# Allegro board SDHCalFEB.brd (continued)
## Routing (per net, layer and track width the routed paths; a pad name or vN(x,y) marks a point on that pad's centre or on a via; arc(x,y) is an arc through that point) (continued)
336.73,171.88 ; 308.53,348.58 J36.2 ; J36.2 309.66,347.45 ; J36.2 309.66,349.71 ; J36.2 310.79,348.58 ; 301.95,350.88 v2(302.39,350.88) ; v2(302.39,350.88) 302.39,351.31 ; v2(302.39,350.88) 302.82,350.88 ; v2(302.39,350.88) 302.39,350.44 ; 247.53,116.97 R821.1 248.12,117.53 ; 339.62,177.16 v2(340.06,177.16) ; v2(340.06,177.16) 340.49,177.16 ; v2(340.06,177.16) 340.06,177.6 ; v2(340.06,177.16) 340.06,176.73 ; v2(179.37,246.74) 179.37,247.17 ; v2(179.37,246.74) 178.94,246.74 ; v2(179.37,246.74) 179.81,246.74 ; v2(179.37,246.74) 179.37,246.3 ; v2(334.29,243.08) 334.72,243.08 ; v2(334.29,243.08) 333.86,243.08 ; v2(334.29,243.08) 334.29,242.65 ; v2(334.29,243.08) 334.29,243.51 ; 99.08,181.46 v2(99.52,181.46) ; v2(99.52,181.46) 99.95,181.46 ; v2(99.52,181.46) 99.52,181.89 ; v2(99.52,181.46) 99.52,181.03 ; 103.47,31.57 C1302.2 ; C1302.2 102.28,32.89 ; C1302.2 103.47,34.21 ; 291.54,341.83 v2(291.54,342.26) ; v2(291.54,342.26) 291.11,342.26 ; v2(291.54,342.26) 291.97,342.26 ; v2(291.54,342.26) 291.54,342.7 ; 171.98,193.37 v2(172.42,193.37) ; v2(172.42,193.37) 172.85,193.37 ; v2(172.42,193.37) 172.42,192.94 ; v2(172.42,193.37) 172.42,193.8 ; 62.71,257.5 v2(62.71,257.94) ; v2(62.71,257.94) 63.14,257.94 ; v2(62.71,257.94) 62.28,257.94 ; v2(62.71,257.94) 62.71,258.37 ; J35.A14 v1(394.88,242.7) ; v2(346.84,314.4) 346.84,314.83 ; v2(346.84,314.4) 346.4,314.4 ; v2(346.84,314.4) 346.84,313.97 ; v2(346.84,314.4) 347.27,314.4 ; 176.91,329.69 v2(176.91,330.12) ; v2(176.91,330.12) 176.91,330.56 ; v2(176.91,330.12) 177.34,330.12 ; v2(176.91,330.12) 176.48,330.12 ; v2(337.08,165.4) 337.52,165.4 ; v2(337.08,165.4) 337.08,164.97 ; v2(337.08,165.4) 337.08,165.84 ; v2(337.08,165.4) 336.65,165.4 ; v2(181.08,30.1) 181.08,30.53 ; v2(181.08,30.1) 181.08,29.67 ; v2(181.08,30.1) 180.64,30.1 ; v2(181.08,30.1) 181.51,30.1 ; v2(257.89,195.54) 257.89,195.98 ; v2(257.89,195.54) 257.45,195.54 ; v2(257.89,195.54) 257.89,195.11 ; 27.67,337.72 J43.5 ; J43.5 28.8,338.85 ; J43.5 27.67,339.98 ; J43.5 26.54,338.85 ; v2(239.19,37.19) 239.19,37.62 ; v2(239.19,37.19) 239.19,36.75 ; v2(239.19,37.19) 238.76,37.19 ; v2(239.19,37.19) 239.62,37.19 ; v2(153.24,278.51) 153.24,278.94 ; v2(153.24,278.51) 152.81,278.51 ; v2(153.24,278.51) 153.24,278.08 ; v2(153.24,278.51) 153.67,278.51 ; J58.4 34.04,86.07 ; J58.4 31.77,86.07 ; J58.4 32.91,84.94 ; J58.4 32.91,87.2 ; 102.77,175.22 J65.4 ; J65.4 103.9,174.09 ; J65.4 105.03,175.22 ; J65.4 103.9,176.35 ; v2(34.9,178) 35.33,178 ; v2(34.9,178) 34.9,177.57 ; v2(34.9,178) 34.9,178.44 ; v2(34.9,178) 34.47,178 ; v2(261.44,256.31) 261.87,256.31 ; v2(261.44,256.31) 261.44,256.74 ; v2(261.44,256.31) 261.01,256.31 ; v2(261.44,256.31) 261.44,255.88 ; v2(28.75,340.72) 28.75,341.15 ; v2(28.75,340.72) 28.32,340.72 ; v2(28.75,340.72) 28.75,340.28 ; v2(28.75,340.72) 29.19,340.72 ; 108.13,163.45 v2(108.56,163.45) ; v2(108.56,163.45) 108.56,163.02 ; v2(108.56,163.45) 108.99,163.45 ; v2(108.56,163.45) 108.56,163.88 ; 330.63,113 J18.4 ; J18.4 330.63,115.27 ; J18.4 331.76,114.13 ; J18.4 329.5,114.13 ; 111.59,178.43 v2(111.59,178.87) 111.16,178.87 ; 259.44,182.4 v2(259.87,182.4) ; v2(259.87,182.4) 259.87,181.97 ; v2(259.87,182.4) 260.3,182.4 ; v2(259.87,182.4) 259.87,182.83 ; 188.77,162.94 v2(188.77,163.37) ; v2(188.77,163.37) 188.34,163.37 ; v2(188.77,163.37) 189.21,163.37 ; v2(188.77,163.37) 188.77,163.81 ; v2(100.3,94.67) 100.3,95.1 ; v2(100.3,94.67) 100.74,94.67 ; v2(100.3,94.67) 99.87,94.67 ; v2(100.3,94.67) 100.3,94.23 ; 182.93,177.77 v2(182.93,178.21) ; v2(182.93,178.21) 182.5,178.21 ; v2(182.93,178.21) 183.36,178.21 ; v2(182.93,178.21) 182.93,178.64 ; 234.64,36.14 v2(235.08,36.14) ; v2(235.08,36.14) 235.08,35.71 ; v2(235.08,36.14) 235.08,36.58 ; v2(235.08,36.14) 235.51,36.14 ; 252.81,38.91 v2(252.81,39.34) ; v2(252.81,39.34) 253.24,39.34 ; v2(252.81,39.34) 252.81,39.78 ; v2(252.81,39.34) 252.37,39.34 ; 98.37,22.43 v1(98.37,22.86) ; v1(98.37,22.86) 98.37,23.29 ; v1(98.37,22.86) 97.94,22.86 ; v1(98.37,22.86) 98.81,22.86 ; v2(32.59,176.66) 32.59,177.09 ; v2(32.59,176.66) 32.16,176.66 ; v2(32.59,176.66) 33.02,176.66 ; v2(32.59,176.66) 32.59,176.22 ; 66.14,357.45 v1(66.57,357.45) ; v1(66.57,357.45) 66.57,357.89 ; v1(66.57,357.45) 67.01,357.45 ; v1(66.57,357.45) 66.57,357.02 ; U1076.8 v1(380.11,100.38) ; 176.33,251.43 v2(176.33,251.87) ; v2(176.33,251.87) 175.89,251.87 ; v2(176.33,251.87) 176.33,252.3 ; v2(176.33,251.87) 176.76,251.87 ; 174.27,168.2 J21.5 ; J21.5 174.27,170.46 ; J21.5 175.4,169.33 ; 242.77,22.78 v1(242.77,23.22) ; v1(242.77,23.22) 242.34,23.22 ; v1(242.77,23.22) 242.77,23.65 ; v1(242.77,23.22) 243.21,23.22 ; v2(264.01,259.11) 264.01,259.54 ; v2(264.01,259.11) 264.44,259.11 ; v2(264.01,259.11) 264.01,258.67 ; v2(264.01,259.11) 263.58,259.11 ; 175.13,112.39 v2(175.56,112.39) ; v2(175.56,112.39) 175.56,111.96 ; v2(175.56,112.39) 176,112.39 ; v2(175.56,112.39) 175.56,112.83 ; v2(310.01,350.88) 310.44,350.88 ; v2(310.01,350.88) 310.01,351.31 ; v2(310.01,350.88) 310.01,350.44 ; v2(310.01,350.88) 309.57,350.88 ; v2(337.29,268) 337.29,268.43 ; v2(337.29,268) 337.72,268 ; v2(337.29,268) 336.85,268 ; v2(337.29,268) 337.29,267.56 ; v2(64.39,259.74) 64.39,260.17 ; v2(64.39,259.74) 63.96,259.74 ; v2(64.39,259.74) 64.82,259.74 ; v2(64.39,259.74) 64.39,259.31 ; v2(77.6,198.53) 78.03,198.53 ; v2(77.6,198.53) 77.6,198.96 ; v2(77.6,198.53) 77.16,198.53 ; v2(77.6,198.53) 77.6,198.09 ; v2(174.09,38.73) 174.09,39.17 ; v2(174.09,38.73) 174.09,38.3 ; v2(174.09,38.73) 174.52,38.73 ; v2(174.09,38.73) 173.66,38.73 ; v2(226.26,338.71) 226.7,338.71 ; v2(226.26,338.71) 225.83,338.71 ; v2(226.26,338.71) 226.26,338.28 ; v2(226.26,338.71) 226.26,339.14 ; v2(301.65,349.33) 302.08,349.33 ; v2(301.65,349.33) 301.65,349.76 ; v2(301.65,349.33) 301.22,349.33 ; v2(301.65,349.33) 301.65,348.89 ; v2(361.37,154.03) 361.8,154.03 ; v2(361.37,154.03) 361.37,153.59 ; v2(361.37,154.03) 361.37,154.46 ; v2(361.37,154.03) 360.93,154.03 ; 340.21,264.87 v2(340.64,264.87) ; v2(340.64,264.87) 340.64,265.3 ; v2(340.64,264.87) 340.64,264.44 ; v2(340.64,264.87) 341.07,264.87 ; 30.89,171.96 v2(30.89,172.39) ; v2(30.89,172.39) 30.89,172.82 ; v2(30.89,172.39) 30.45,172.39 ; v2(30.89,172.39) 31.32,172.39 ; J35.B13 v1(391.79,241.43) ; v2(315.98,345.85) 316.41,345.85 ; v2(315.98,345.85) 315.54,345.85 ; v2(315.98,345.85) 315.98,346.28 ; v2(315.98,345.85) 315.98,345.41 ; 105.64,174.37 v2(105.64,174.8) ; v2(105.64,174.8) 105.21,174.8 ; v2(105.64,174.8) 106.07,174.8 ; v2(105.64,174.8) 105.64,175.24 ; v2(251.76,329.29) 252.19,329.29 ; v2(251.76,329.29) 251.33,329.29 ; v2(251.76,329.29) 251.76,329.72 ; 169.15,114.44 J22.4 ; J22.4 170.28,115.57 ; J22.4 171.41,114.44 ; J22.4 170.28,113.31 ; 149.66,342.24 v2(150.09,342.24) ; v2(150.09,342.24) 150.52,342.24 ; v2(150.09,342.24) 150.09,342.67 ; v2(150.09,342.24) 150.09,341.81 ; 328.32,33.48 v2(328.32,33.91) ; v2(328.32,33.91) 328.75,33.91 ; v2(328.32,33.91) 327.89,33.91 ; v2(328.32,33.91) 328.32,34.34 ; v2(294.77,350.88) 294.77,351.31 ; v2(294.77,350.88) 294.33,350.88 ; v2(294.77,350.88) 295.2,350.88 ; v2(294.77,350.88) 294.77,350.44 ; 22.5,21.13 v1(22.94,21.13) ; v1(22.94,21.13) 22.94,20.7 ; v1(22.94,21.13) 22.94,21.57 ; v1(22.94,21.13) 23.37,21.13 ; 95.86,84.61 v2(95.86,85.04) ; v2(95.86,85.04) 95.86,85.47 ; v2(95.86,85.04) 96.29,85.04 ; v2(95.86,85.04) 95.43,85.04 ; 366.73,240.46 v2(366.73,240.89) ; v2(366.73,240.89) 366.73,241.33 ; v2(366.73,240.89) 366.29,240.89 ; v2(366.73,240.89) 367.16,240.89 ; v2(268.38,327.08) 268.38,327.51 ; v2(268.38,327.08) 268.38,326.64 ; v2(268.38,327.08) 268.81,327.08 ; v2(268.38,327.08) 267.94,327.08 ; 258.44,88.19 J27.2 ; J27.2 257.31,89.32 ; J27.2 258.44,90.45 ; J27.2 259.57,89.32 ; v2(185.85,94.03) 185.85,94.46 ; v2(185.85,94.03) 186.28,94.03 ; v2(185.85,94.03) 185.41,94.03 ; v1(225.37,348.08) 225.81,348.08 ; v1(225.37,348.08) 225.37,347.65 ; v1(225.37,348.08) 225.37,348.51 ; v1(225.37,348.08) 224.94,348.08 ; 99.62,98.98 v2(100.05,98.98) ; v2(100.05,98.98) 100.05,99.42 ; v2(100.05,98.98) 100.05,98.55 ; v2(100.05,98.98) 100.48,98.98 ; v2(31.65,37.57) 31.65,38 ; v2(31.65,37.57) 32.08,37.57 ; v2(31.65,37.57) 31.65,37.13 ; v2(31.65,37.57) 31.22,37.57 ; v2(174.85,262.33) 175.29,262.33 ; v2(174.85,262.33) 174.85,262.76 ; v2(174.85,262.33) 174.85,261.9 ; v2(174.85,262.33) 174.42,262.33 ; 255.4,116.71 v2(255.83,116.71) ; v2(255.83,116.71) 255.83,116.28 ; v2(255.83,116.71) 255.83,117.15 ; v2(255.83,116.71) 256.26,116.71 ; 91.52,31.22 v2(91.52,31.65) ; v2(91.52,31.65) 91.52,32.08 ; v2(91.52,31.65) 91.08,31.65 ; v2(91.52,31.65) 91.95,31.65 ; 311.71,346.07 v2(311.71,346.51) ; v2(311.71,346.51) 311.28,346.51 ; v2(311.71,346.51) 312.14,346.51 ; v2(311.71,346.51) 311.71,346.94 ; J60.5 186.16,260.08 ; J60.5 185.03,258.95 ; J60.5 185.03,261.21 ; J60.5 183.9,260.08 ; 96.24,192.23 v2(96.67,192.23) ; v2(96.67,192.23) 96.67,192.66 ; v2(96.67,192.23) 97.1,192.23 ; v2(96.67,192.23) 96.67,191.79 ; 337.08,191.82 v2(337.08,192.25) ; v2(337.08,192.25) 337.52,192.25 ; v2(337.08,192.25) 337.08,192.68 ; v2(337.08,192.25) 336.65,192.25 ; 143.69,343.83 J38.5 ; J38.5 144.82,342.7 ; J38.5 145.95,343.83 ; J38.5 144.82,344.96 ; 100.42,82.63 v2(100.42,82.2) 99.98,82.2 ; 329.24,39 J26.5 ; J26.5 330.37,37.87 ; J26.5 331.5,39 ; J26.5 330.37,40.13 ; v2(332.59,120.65) 332.59,121.08 ; v2(332.59,120.65) 333.02,120.65 ; v2(332.59,120.65) 332.59,120.22 ; v2(332.59,120.65) 332.16,120.65 ; 100.67,252.28 R1713.1 100.67,251.11 ; 183.94,93.5 v2(183.94,93.07) 183.5,93.07 ; 332.77,179.98 v2(332.77,180.42) ; v2(332.77,180.42) 333.2,180.42 ; v2(332.77,180.42) 332.77,180.85 ; v2(332.77,180.42) 332.33,180.42 ; v2(270.08,323.42) 270.08,323.85 ; v2(270.08,323.42) 270.51,323.42 ; v2(270.08,323.42) 270.08,322.99 ; v2(270.08,323.42) 269.65,323.42 ; J67.3 269.88,95.34 ; J67.3 267.61,95.34 ; J67.3 268.74,96.47 ; J67.3 268.74,94.21 ; v2(95.94,169.95) 96.37,169.95 ; v2(95.94,169.95) 95.5,169.95 ; v2(95.94,169.95) 95.94,170.38 ; v2(95.94,169.95) 95.94,169.52 ; 28.29,98.15 C1042.2 ; C1042.2 29.48,99.47 ; C1042.2 29.48,96.82 ; 293.93,346.07 v2(293.93,346.51) ; v2(293.93,346.51) 293.93,346.94 ; v2(293.93,346.51) 293.5,346.51 ; v2(293.93,346.51) 294.36,346.51 ; U1052.7 v1(346.37,136.14) ; v2(95.73,197.18) 96.16,197.18 ; v2(95.73,197.18) 95.73,197.61 ; v2(95.73,197.18) 95.3,197.18 ; v2(95.73,197.18) 95.73,196.75 ; 27.79,183.84 v2(27.79,184.28) ; v2(27.79,184.28) 27.79,184.71 ; v2(27.79,184.28) 28.22,184.28 ; v2(27.79,184.28) 27.36,184.28 ; 347.19,310.24 v2(347.19,310.67) ; v2(347.19,310.67) 347.19,311.1 ; v2(347.19,310.67) 346.76,310.67 ; v2(347.19,310.67) 347.62,310.67 ; v2(266.8,94.84) 267.23,94.84 ; v2(266.8,94.84) 266.8,95.28 ; v2(266.8,94.84) 266.8,94.41 ; v2(266.8,94.84) 266.37,94.84 ; 40.06,341.96 v2(40.06,342.39) ; v2(40.06,342.39) 39.62,342.39 ; v2(40.06,342.39) 40.49,342.39 ; v2(40.06,342.39) 40.06,342.82 ; J35.A28 v1(394.88,260.48) ; v2(238.23,37.8) 238.23,38.23 ; v2(238.23,37.8) 238.66,37.8 ; v2(238.23,37.8) 238.23,37.36 ; v2(238.23,37.8) 237.79,37.8 ; 29.31,267.18 v2(29.31,267.61) ; v2(29.31,267.61) 29.74,267.61 ; v2(29.31,267.61) 29.31,268.05 ; v2(29.31,267.61) 28.88,267.61 ; 253.49,277.32 v2(253.92,277.32) ; v2(253.92,277.32) 254.36,277.32 ; v2(253.92,277.32) 253.92,277.75 ; v2(253.92,277.32) 253.92,276.88 ; 255.7,243.86 v2(255.7,244.3) ; v2(255.7,244.3) 255.7,244.73 ; v2(255.7,244.3) 256.13,244.3 ; v2(255.7,244.3) 255.27,244.3 ; v2(332.56,119.43) 332.56,119.86 ; v2(332.56,119.43) 332.56,119 ; v2(332.56,119.43) 332.99,119.43 ; v2(332.56,119.43) 332.13,119.43 ; 92.42,88.65 R1319.2 91.84,88.09 ; v2(110.92,257.84) 111.35,257.84 ; v2(110.92,257.84) 110.92,257.4 ; v2(110.92,257.84) 110.49,257.84 ; v2(110.92,257.84) 110.92,258.27 ; 335.43,163.68 J17.4 ; J17.4 336.56,164.81 ; J17.4 335.43,165.94 ; J17.4 334.3,164.81 ; 107.59,163.85 v2(107.59,164.29) ; v2(107.59,164.29) 107.16,164.29 ; v2(107.59,164.29) 107.59,164.72 ; v2(107.59,164.29) 108.03,164.29 ; 77.88,116.86 v2(77.88,117.3) ; v2(77.88,117.3) 77.88,117.73 ; v2(77.88,117.3) 78.31,117.3 ; v2(77.88,117.3) 77.44,117.3 ; 87.78,272.31 v2(87.78,272.75) ; v2(87.78,272.75) 87.78,273.18 ; v2(87.78,272.75) 87.35,272.75 ; v2(87.78,272.75) 88.21,272.75 ; v2(174.47,280.7) 174.9,280.7 ; v2(174.47,280.7) 174.04,280.7 ; v2(174.47,280.7) 174.47,280.26 ; v2(174.47,280.7) 174.47,281.13 ; v2(33.2,331.57) 33.63,331.57 ; v2(33.2,331.57) 33.2,331.14 ; v2(33.2,331.57) 33.2,332 ; v2(33.2,331.57) 32.77,331.57 ; 32.46,326.64 v2(32.89,326.64) ; v2(32.89,326.64) 32.89,327.08 ; v2(32.89,326.64) 33.33,326.64 ; v2(313.54,199.09) 313.97,199.09 ; v2(313.54,199.09) 313.54,198.65 ; v2(313.54,199.09) 313.54,199.52 ; v2(313.54,199.09) 313.11,199.09 ; v2(257.96,275.38) 257.96,275.81 ; v2(257.96,275.38) 257.96,274.95 ; v2(257.96,275.38) 257.53,275.38 ; v2(252.17,40.26) 252.17,40.69 ; v2(252.17,40.26) 251.74,40.26 ; v2(252.17,40.26) 252.17,39.83 ; v2(252.17,40.26) 252.6,40.26 ; 266.34,22.24 J52.3 ; J52.3 268.61,22.24 ; J52.3 267.47,21.11 ; J52.3 267.47,23.37 ; 33.02,327.56 v2(33.02,327.99) ; v2(33.02,327.99) 33.45,327.99 ; v2(33.02,327.99) 33.02,328.42 ; v2(33.02,327.99) 32.59,327.99 ; 337.9,164.31 v2(338.33,164.31) ; v2(338.33,164.31) 338.76,164.31 ; v2(338.33,164.31) 338.33,164.74 ; v2(338.33,164.31) 338.33,163.88 ; v1(261.01,21.06) 261.44,21.06 ; v1(261.01,21.06) 261.01,21.49 ; v1(261.01,21.06) 260.58,21.06 ; v1(261.01,21.06) 261.01,20.62 ; v2(109.32,177.16) 109.32,177.6 ; v2(109.32,177.16) 108.89,177.16 ; v2(109.32,177.16) 109.32,176.73 ; v2(109.32,177.16) 109.75,177.16 ; v2(103.91,341.33) 104.34,341.33 ; v2(103.91,341.33) 103.91,341.76 ; v2(103.91,341.33) 103.91,340.89 ; v2(103.91,341.33) 103.48,341.33 ; v2(257.89,196.84) 257.89,197.28 ; v2(257.89,196.84) 257.89,196.41 ; v2(257.89,196.84) 257.45,196.84 ; v2(194.11,255.55) 194.11,255.98 ; v2(194.11,255.55) 193.67,255.55 ; v2(194.11,255.55) 194.11,255.12 ; v2(194.11,255.55) 194.54,255.55 ; 189.71,341.16 J41.2 ; J41.2 190.84,340.03 ; J41.2 190.84,342.29 ; J41.2 191.97,341.16 ; 99.62,97.71 v2(100.05,97.71) ; v2(100.05,97.71) 100.48,97.71 ; v2(100.05,97.71) 100.05,97.28 ; v2(100.05,97.71) 100.05,98.15 ; v1(172.95,355.88) 173.38,355.88 ; v1(172.95,355.88) 172.52,355.88 ; v1(172.95,355.88) 172.95,355.45 ; v1(172.95,355.88) 172.95,356.31 ; 187.25,94.26 v2(187.25,94.69) ; v2(187.25,94.69) 187.25,95.12 ; v2(187.25,94.69) 187.68,94.69 ; v2(187.25,94.69) 186.82,94.69 ; 178.77,192.2 R1869.1 178.21,192.79 ; 143.69,339.08 J38.4 ; J38.4 145.95,339.08 ; J38.4 144.82,337.95 ; J38.4 144.82,340.21 ; 258.85,85.98 v2(258.85,86.41) ; v2(258.85,86.41) 258.85,86.84 ; v2(258.85,86.41) 259.28,86.41 ; v2(258.85,86.41) 258.42,86.41 ; 98.02,20.35 v1(98.45,20.35) ; v1(98.45,20.35) 98.45,19.91 ; v1(98.45,20.35) 98.88,20.35 ; v1(98.45,20.35) 98.45,20.78 ; v2(144.4,341.96) 144.4,342.39 ; v2(144.4,341.96) 143.97,341.96 ; v2(144.4,341.96) 144.4,341.53 ; v2(144.4,341.96) 144.83,341.96 ; v2(30.81,90.78) 31.24,90.78 ; v2(30.81,90.78) 30.81,90.35 ; v2(30.81,90.78) 30.81,91.21 ; v2(30.81,90.78) 30.38,90.78 ; 100.66,168.99 v2(100.66,169.42) ; v2(100.66,169.42) 100.23,169.42 ; v2(100.66,169.42) 100.66,169.85 ; v2(100.66,169.42) 101.09,169.42 ; v2(112.04,257.61) 112.47,257.61 ; v2(112.04,257.61) 112.04,258.04 ; v2(112.04,257.61) 111.61,257.61 ; v2(112.04,257.61) 112.04,257.17 ; v2(261.26,30.25) 261.7,30.25 ; v2(261.26,30.25) 260.83,30.25 ; v2(261.26,30.25) 261.26,29.82 ; v2(261.26,30.25) 261.26,30.68 ; v2(249.48,273.51) 249.91,273.51 ; v2(249.48,273.51) 249.05,273.51 ; v2(249.48,273.51) 249.48,273.94 ; v2(249.48,273.51) 249.48,273.07 ; v2(35.08,170.71) 35.51,170.71 ; v2(35.08,170.71) 35.08,171.15 ; v2(35.08,170.71) 34.65,170.71 ; v2(35.08,170.71) 35.08,170.28 ; 320.65,41.22 v2(320.65,41.66) ; v2(320.65,41.66) 321.08,41.66 ; v2(320.65,41.66) 320.22,41.66 ; v2(320.65,41.66) 320.65,42.09 ; 36.22,257.91 v2(36.22,258.34) ; v2(36.22,258.34) 36.22,258.78 ; v2(36.22,258.34) 36.65,258.34 ; v2(36.22,258.34) 35.79,258.34 ; v2(252.07,100.28) 252.5,100.28 ; v2(252.07,100.28) 251.64,100.28 ; v2(252.07,100.28) 252.07,99.85 ; v2(252.07,100.28) 252.07,100.71 ; v2(269.27,322.99) 269.7,322.99 ; v2(269.27,322.99) 268.83,322.99 ; v2(269.27,322.99) 269.27,322.55 ; v2(269.27,322.99) 269.27,323.42 ; 180.39,177.77 v2(180.39,178.21) ; v2(180.39,178.21) 180.39,178.64 ; v2(180.39,178.21) 180.82,178.21 ; v2(180.39,178.21) 179.96,178.21 ; 93.22,182.8 R1820.1 93.22,181.63 ; 180.11,326.44 v2(180.54,326.44) ; v2(180.54,326.44) 180.98,326.44 ; v2(180.54,326.44) 180.54,326.01 ; v2(180.54,326.44) 180.54,326.87 ; 89.08,200.66 v2(89.51,200.66) ; v2(89.51,200.66) 89.94,200.66 ; v2(89.51,200.66) 89.51,201.09 ; v2(89.51,200.66) 89.51,200.23 ; 154,277.01 v2(154.43,277.01) ; v2(154.43,277.01) 154.43,277.44 ; v2(154.43,277.01) 154.43,276.58 ; v2(154.43,277.01) 154.86,277.01 ; 240.05,197.56 v2(240.49,197.56) ; v2(240.49,197.56) 240.49,197.13 ; v2(240.49,197.56) 240.49,197.99 ; v2(240.49,197.56) 240.92,197.56 ; J65.2 108.65,181.1 ; J65.2 107.52,179.97 ; J65.2 108.65,178.84 ; J65.2 109.78,179.97 ; v2(92.76,194.64) 92.76,195.07 ; v2(92.76,194.64) 92.33,194.64 ; v2(92.76,194.64) 93.19,194.64 ; v2(92.76,194.64) 92.76,194.21 ; 336.68,88.92 v2(336.68,89.36) ; v2(336.68,89.36) 336.68,89.79 ; v2(336.68,89.36) 336.24,89.36 ; v2(336.68,89.36) 337.11,89.36 ; v2(261.34,258.8) 261.77,258.8 ; v2(261.34,258.8) 260.91,258.8 ; v2(261.34,258.8) 261.34,258.37 ; v2(261.34,258.8) 261.34,259.23 ; 278.82,347.85 v1(279.25,347.85) ; v1(279.25,347.85) 279.68,347.85 ; v1(279.25,347.85) 279.25,348.29 ; v1(279.25,347.85) 279.25,347.42 ; 320.52,43.56 v2(320.52,43.99) ; v2(320.52,43.99) 320.95,43.99 ; v2(320.52,43.99) 320.09,43.99 ; v2(320.52,43.99) 320.52,44.43 ; 32.18,89.05 v2(32.61,89.05) ; v2(32.61,89.05) 33.05,89.05 ; v2(32.61,89.05) 32.61,88.62 ; v2(32.61,89.05) 32.61,89.48 ; J3.4 254.32,325.77 ; J3.4 254.32,323.51 ; J3.4 255.45,324.64 ; J3.4 253.19,324.64 ; v2(105.46,338.68) 105.89,338.68 ; v2(105.46,338.68) 105.46,338.25 ; v2(105.46,338.68) 105.46,339.12 ; v2(105.46,338.68) 105.03,338.68 ; 188.14,342.9 v2(188.57,342.9) ; v2(188.57,342.9) 188.57,342.47 ; v2(188.57,342.9) 189,342.9 ; 254.41,261.59 v2(254.84,261.59) ; v2(254.84,261.59) 255.27,261.59 ; v2(254.84,261.59) 254.84,261.16 ; v2(254.84,261.59) 254.84,262.03 ; 188.65,255.33 J60.3 ; J60.3 189.78,254.2 ; J60.3 190.91,255.33 ; J60.3 189.78,256.46 ; 177.09,196.85 v2(177.09,197.28) ; v2(177.09,197.28) 176.66,197.28 ; v2(177.09,197.28) 177.09,197.71 ; v2(177.09,197.28) 177.52,197.28 ; 175.74,200.79 v2(176.17,200.79) ; v2(176.17,200.79) 176.17,200.35 ; v2(176.17,200.79) 176.61,200.79 ; v2(176.17,200.79) 176.17,201.22 ; v2(95.07,91.39) 95.5,91.39 ; v2(95.07,91.39) 94.64,91.39 ; v2(95.07,91.39) 95.07,91.82 ; v2(95.07,91.39) 95.07,90.96 ; J60.2 189.78,261.21 ; J60.2 188.65,260.08 ; J60.2 190.91,260.08 ; J60.2 189.78,258.95 ; v2(257.38,261.59) 257.38,262.03 ; v2(257.38,261.59) 257.38,261.16 ; v2(257.38,261.59) 256.95,261.59 ; v2(257.38,261.59) 257.81,261.59 ; v2(38.28,92.71) 38.28,93.14 ; v2(38.28,92.71) 37.85,92.71 ; v2(38.28,92.71) 38.71,92.71 ; v2(38.28,92.71) 38.28,92.28 ; v2(256.39,251.36) 256.39,251.79 ; v2(256.39,251.36) 255.96,251.36 ; v2(256.39,251.36) 256.82,251.36 ; v2(256.39,251.36) 256.39,250.93 ; v1(260.02,348.13) 260.02,348.56 ; v1(260.02,348.13) 259.59,348.13 ; v1(260.02,348.13) 260.02,347.7 ; v1(260.02,348.13) 260.45,348.13 ; J3.2 259.07,330.52 ; J3.2 260.2,329.39 ; J3.2 259.07,328.26 ; J3.2 257.94,329.39 ; 87.58,21.72 v1(88.01,21.72) ; v1(88.01,21.72) 88.01,22.15 ; v1(88.01,21.72) 88.44,21.72 ; v1(88.01,21.72) 88.01,21.28 ; v2(104.19,177.09) 104.19,177.52 ; v2(104.19,177.09) 104.62,177.09 ; v2(104.19,177.09) 103.76,177.09 ; v2(104.19,177.09) 104.19,176.66 ; 341.48,84.25 v2(341.48,84.68) ; v2(341.48,84.68) 341.05,84.68 ; v2(341.48,84.68) 341.48,85.12 ; v2(341.48,84.68) 341.91,84.68 ; 41.4,338.58 v2(41.4,339.01) ; v2(41.4,339.01) 41.4,339.45 ; v2(41.4,339.01) 40.97,339.01 ; v2(41.4,339.01) 41.83,339.01 ; 188.48,25.68 J53.2 ; J53.2 187.35,26.81 ; J53.2 188.48,27.94 ; J53.2 189.61,26.81 ; 77.44,197.21 v2(77.88,197.21) ; v2(77.88,197.21) 77.88,196.77 ; v2(77.88,197.21) 78.31,197.21 ; v2(77.88,197.21) 77.88,197.64 ; 97.84,27.91 v1(98.27,27.91) ; v1(98.27,27.91) 